# Altium PCB PCB1.PcbDoc (part 2 of 2)
Units mm, origin at the board's own origin, x right, y up, seen from the top; angles counter-clockwise.
Board outline 98.68 x 97.8 mm, 2 copper layers (Top Layer, Bottom Layer), stack 1.569 mm thick; 110 components, 107 nets, 431 pads, 347 vias.
Unrouted connection lines stored in the file: 1.
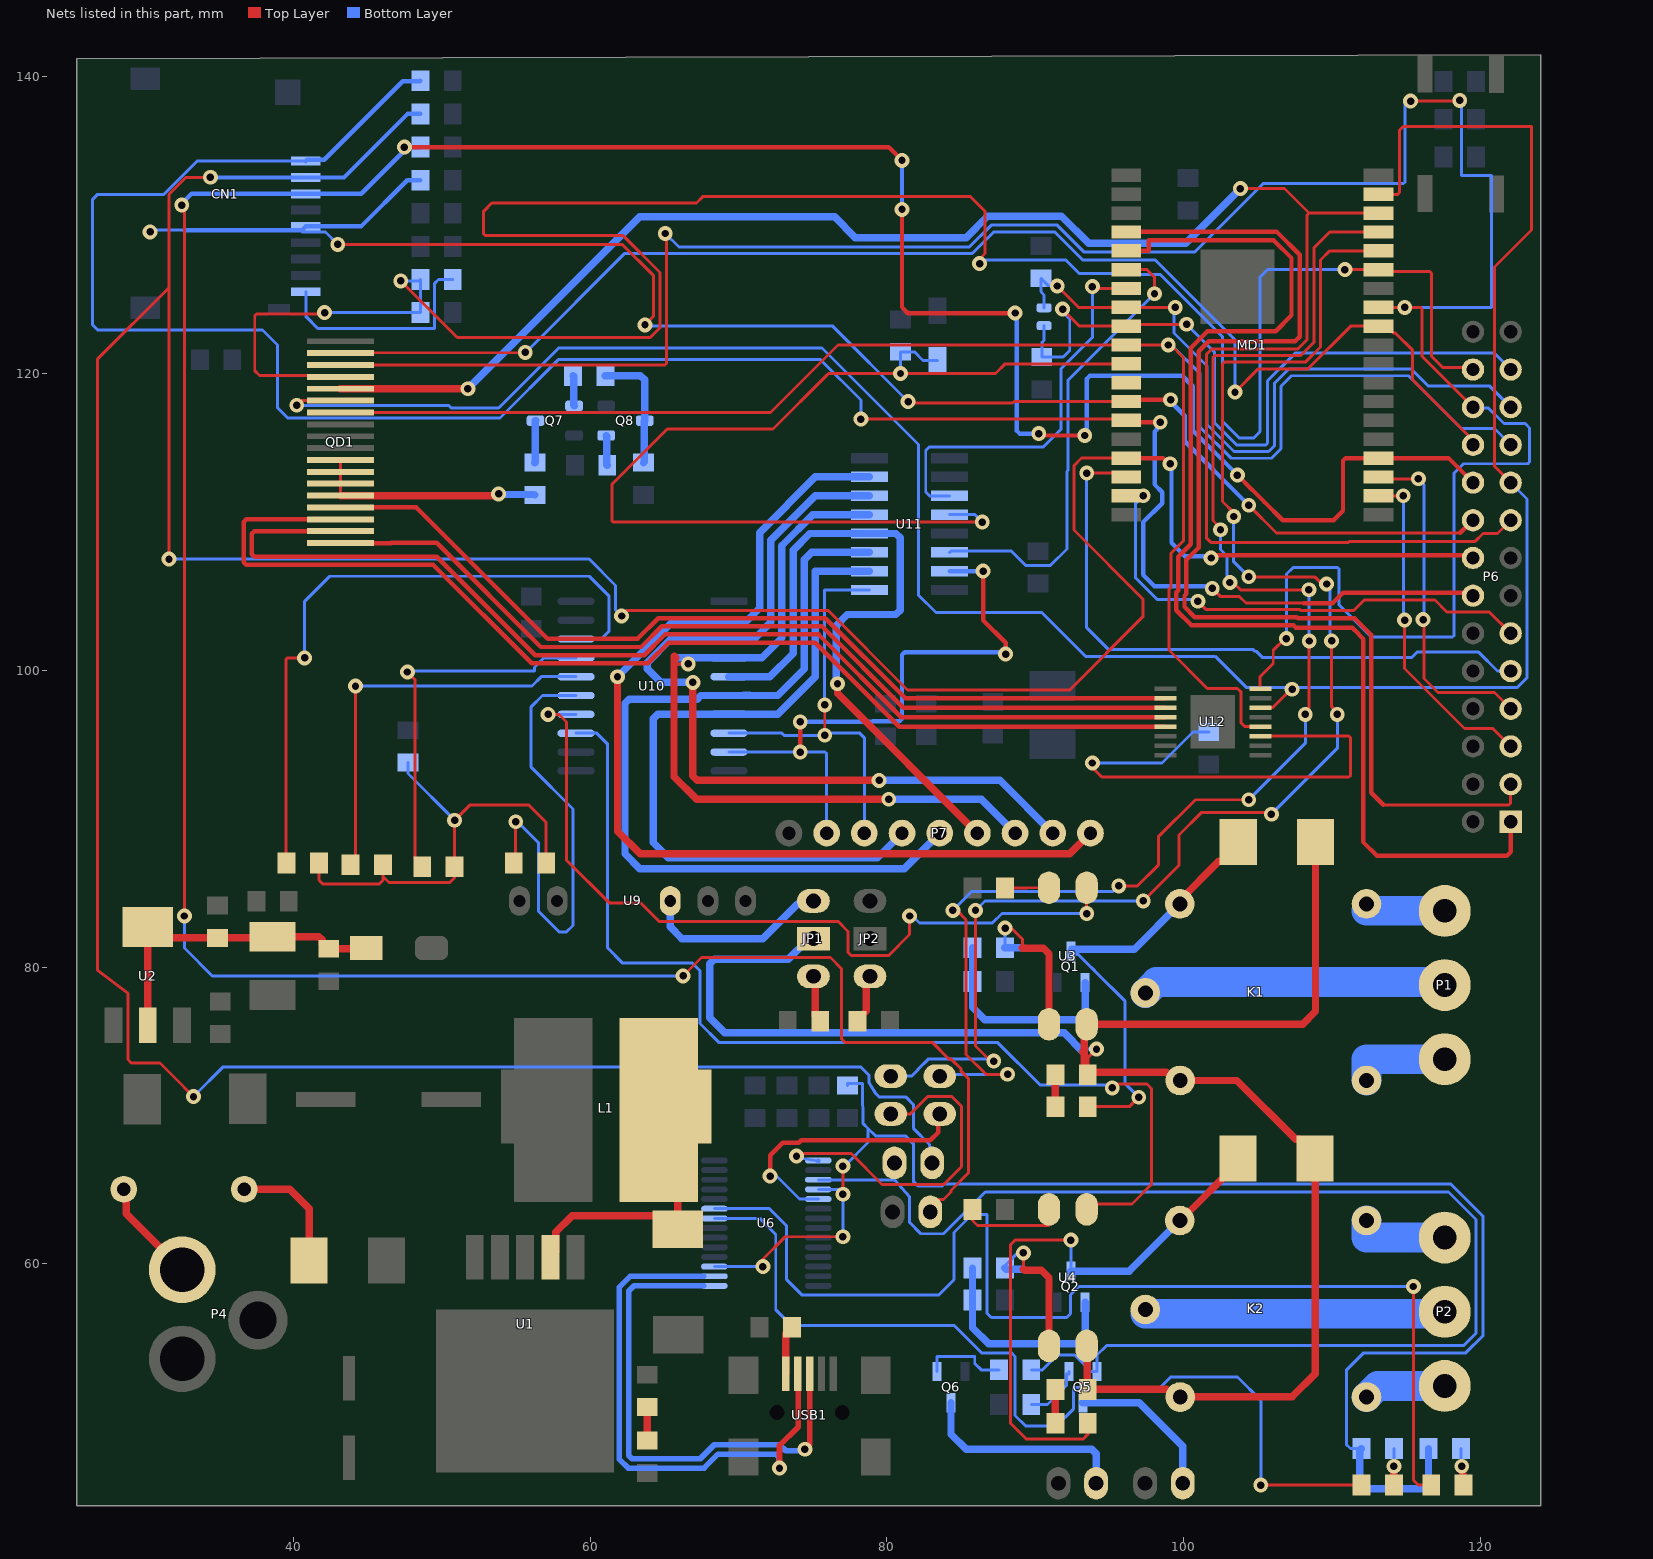
[diagram p2: the nets of this part, all layers, seen from the top]

## Via types
v1: diameter 1, hole 0.5, Top Layer to Bottom Layer, tented both sides, 341 vias
v2: diameter 1, hole 0.5, Top Layer to Bottom Layer, 4 vias
v3: diameter 1.2, hole 1.2, Top Layer to Bottom Layer, tented both sides, 2 vias

## Nets (pads, with @x,y where several pads share a name; then routed paths per layer and width w, separated by ;. In a path a pad name is that pad's centre, name@x,y a point inside that pad or via, vN(x,y) a via of type N, cw(c..) or ccw(c..) an arc to the next point about the centre after c; other vN are vias at no path point) (continued)
IO12: CN1.1 MD1.14 P6.14 R25.2 | length 149.6
  Top Layer w0.2: v1(78.257,116.928) 96.051,116.928 MD1.14@96.139,116.84 ; v1(101.938,105.523) 101.944,105.523 102.507,104.96 103.775,104.96 104.203,104.532 108.102,104.532
  Top Layer w0.3: MD1.14@96.139,116.84 96.266,116.713 v1(98.425,116.713) ; 108.102,104.532 110.056,104.532 110.76,105.236 119.3,105.236 P6.14@119.507,105.029
  Bottom Layer w0.2: CN1.1@40.853,134.315 33.528,134.315 31.293,132.08 26.822,132.08 26.485,131.743 26.485,123.273 26.822,122.936 37.922,122.936 38.938,121.92 38.938,117.692 39.624,117.006 53.938,117.006 57.861,120.929 75.54,120.929 78.257,118.212 v1(78.257,116.928)
  Bottom Layer w0.3: CN1.1@40.847,134.31 40.853,134.315 40.949,134.411 42.082,134.411 47.371,139.7 48.539,139.7 R25.2@48.565,139.725 ; v1(98.425,116.713) 98.425,116.524 98.18,116.279 98.18,116.214 98.044,116.078 98.044,112.525 98.563,112.006 98.563,111.26 97.271,109.968 97.271,106.434 98.041,105.664 101.797,105.664 v1(101.938,105.523)
IO13: CN1.2 JP5.2 MD1.16 P6.16 R26.2 | length 277.5
  Top Layer w0.2: v1(31.623,107.493) 31.623,125.781 ; v1(33.274,71.272) 33.262,71.272 32.67,71.864 32.67,71.876 31.013,73.533 29.083,73.533 28.854,73.762 28.854,78.232 26.797,79.793 26.797,120.955 31.623,125.781 ; v1(34.417,133.223) 32.766,133.223 31.623,132.08 31.623,125.781 ; v1(62.128,103.657) 62.509,104.038 76.043,104.038 81.402,98.679 92.329,98.679 97.257,103.607 97.257,104.8 92.608,109.449 92.608,113.792 93.116,114.3 MD1.16@96.139,114.3
  Top Layer w0.3: MD1.16@96.139,114.3 98.617,114.3 v1@98.998,113.919 ; v1(101.854,107.569) 102.043,107.569 102.223,107.749 119.327,107.749 P6.16@119.507,107.569
  Bottom Layer w0.2: v1(31.623,107.493) 59.944,107.493 61.722,105.715 61.722,104.064 v1(62.128,103.657) ; v1(33.274,71.272) 35.281,73.279 78.232,73.279 78.814,72.697 78.814,72.187 79.236,71.496 ccw(c79.406,71.6) 79.265,71.459 79.47,71.254 81.275,71.254 81.788,70.741 81.788,69.139 82.88,68.047 JP5.2@83.058,66.802
  Bottom Layer w0.3: v1(34.417,133.223) 34.417,133.209 CN1.2@40.847,133.209 43.42,133.209 47.705,137.494 R26.2@48.565,137.494 ; v1@98.998,113.919 99.187,113.919 99.187,108.588 100.079,107.696 101.727,107.696 v1(101.854,107.569) ; v1(99.092,113.919) v1@99.187,113.824
IO14: CN1.5 MD1.13 P6.18 R28.2 | length 111.3
  Top Layer w0.2: v1(43.002,128.702) 62.179,128.702 64.262,126.619 64.262,123.837 v1(63.703,123.278) ; v1(81.432,118.11) 81.52,118.022 88.476,118.022 88.564,118.11 MD1.13@96.139,118.11 ; v1(104.394,111.125) 106.26,109.259 118.657,109.259
  Top Layer w0.3: MD1.13@96.139,118.11 96.266,118.237 v1(99.131,118.237) ; 118.657,109.259 P6.18@119.507,110.109
  Bottom Layer w0.2: v1(30.353,129.54) 30.48,129.667 32.662,129.667 ; 40.605,129.54 42.164,129.54 v1(43.002,128.702) ; v1(63.703,123.278) 63.766,123.215 76.327,123.215 v1(81.432,118.11) ; 104.01,111.506 104.391,111.125 v1(104.394,111.125)
  Bottom Layer w0.3: 32.662,129.667 40.605,129.667 CN1.5@40.847,129.91 44.566,129.91 47.687,133.031 R28.2@48.565,133.031 ; v1(99.131,118.237) 99.131,118.105 100.076,117.16 100.076,115.44 104.01,111.506
IO15: CN1.3 JP6.2 MD1.23 P6.20 R27.2 | length 243.5
  Top Layer w0.2: v1(32.48,131.35) 32.664,131.166 v1(32.664,83.439) ; v1(66.269,79.4) 67.513,80.645 76.2,80.645 76.937,79.908 76.937,75.184 77.191,74.93 83.058,74.93 84.194,73.794 84.342,73.794 85.016,73.12 85.016,72.972 85.496,72.492 85.496,66.116 84.328,64.948 84.328,64.846 83.82,64.338 82.931,64.338 JP6.2@82.931,63.5
  Top Layer w0.3: v1(47.491,135.262) 80.13,135.262 v1(81.026,134.366) ; v1(81.026,131.064) 81.026,124.46 81.418,124.068 88.635,124.068 v1(88.646,124.079) ; v1(90.245,115.951) 90.372,115.824 v1(93.345,115.824) ; v1(103.632,113.157) 104.637,112.152 104.64,112.152 105.421,111.371 106.683,110.109 110.109,110.109 110.744,110.744 110.744,114.124 110.92,114.3 MD1.23@113.139,114.3 117.856,114.3 P6.20@119.507,112.649
  Bottom Layer w0.2: v1(32.664,83.439) 32.664,81.28 34.544,79.4 v1(66.269,79.4)
  Bottom Layer w0.3: v1(32.48,131.35) 32.48,131.443 33.147,132.11 CN1.3@40.847,132.11 44.583,132.11 v1@47.691,135.217 ; v1(47.491,135.262) R27.2@48.565,135.262 ; v1(81.026,131.064) v1(81.026,134.366) ; v1(88.646,124.079) 88.773,123.952 88.773,116.127 88.949,115.951 v1(90.245,115.951) ; v1(93.345,115.824) 93.472,115.951 93.472,119.634 93.69,119.852 99.913,119.852 100.357,119.408 100.626,119.139 100.626,116.163 v1(103.632,113.157)
IO18: MD1.30 P6.22 QD1.2 | length 92.8
  Top Layer w0.2: QD1.2@43.18,121.374 43.205,121.399 55.605,121.399 v1(55.63,121.424) ; v1(103.469,118.745) 105.04,120.316 108.392,120.316 111.266,123.19 MD1.30@113.139,123.19 113.689,123.19 114.159,122.72 114.284,122.72 115.443,121.561 115.443,119.566 119.507,115.502 P6.22@119.507,115.189
  Bottom Layer w0.2: v1(55.63,121.424) 55.696,121.49 55.729,121.49 62.313,128.074 85.723,128.074 85.758,128.109 85.779,128.109 87.22,129.55 91.301,129.55 93.217,127.635 98.104,127.635 103.469,122.27 v1(103.469,118.745)
IO19: MD1.31 P6.24 QD1.3 U12.16 | length 172.9
  Top Layer w0.2: QD1.3@43.18,120.574 65.045,120.574 65.162,120.691 65.162,129.351 v1(65.075,129.438) ; U12.16@105.181,98.76 105.156,98.76 105.156,99.568 106.045,100.457 106.045,101.346 106.831,102.132 v1(106.934,102.132) ; MD1.31@113.139,124.46 v1(114.91,124.46) 115.961,124.46 116.078,124.343 116.078,121.158 P6.24@119.507,117.729 ; v1(115.3,138.357) 115.324,138.381 118.59,138.381 v1(118.613,138.405)
  Bottom Layer w0.2: v1(65.075,129.438) 65.989,128.524 85.558,128.524 87.034,130 91.488,130 93.31,128.178 100.745,128.178 105.37,132.803 114.818,132.803 114.935,132.92 114.935,138.303 115.062,138.43 115.134,138.357 v1(115.3,138.357) ; v1(106.934,102.132) 106.934,106.481 107.387,106.934 110.373,106.934 110.49,106.817 110.49,104.394 112.649,102.235 118.12,102.235 118.237,102.352 118.237,113.294 118.862,113.919 123.2,113.919 123.317,114.036 123.317,116.332 123.02,116.629 121.591,116.629 120.557,117.663 119.573,117.663 P6.24@119.507,117.729 ; v1(114.91,124.46) 120.752,124.46 120.752,133.35 118.745,133.35 118.745,138.273 v1(118.613,138.405)
IO21: MD1.33 P6.26 QD1.4 R31.2 R35.1 | length 158.9
  Top Layer w0.2: v1(42.113,124.104) 42.027,124.018 41.468,124.018 37.521,124.018 37.404,123.901 37.404,120.182 37.718,119.868 43.086,119.868 QD1.4@43.18,119.774 ; v1(47.244,126.238) 51.054,122.428 64.055,122.428 64.712,123.085 64.712,126.805 62.231,129.286 52.949,129.286 52.832,129.403 52.832,130.937 53.383,131.488 67.167,131.488 67.594,131.914 85.637,131.914 86.614,130.937 86.614,128.093 86.195,127.674 86.195,127.472 v1(86.259,127.408) ; v1(110.871,127) MD1.33@113.139,127 113.266,126.873 116.596,126.873 116.713,126.756 116.713,121.159 117.476,120.396 119.38,120.396 P6.26@119.507,120.269
  Bottom Layer w0.2: v1(42.113,124.104) R31.2@48.565,124.104 R35.1@48.565,126.336 48.467,126.238 v1(47.244,126.238) ; v1(86.259,127.408) 86.259,127.518 86.376,127.635 92.075,127.635 92.964,126.746 95.377,126.746 95.454,126.669 98.434,126.669 101.053,124.05 102.619,122.484 102.619,116.786 103.766,115.639 104.717,115.639 105.156,116.078 105.156,126.492 105.664,127 v1(110.871,127)
IO22: MD1.36 P6.17 QD1.5 | length 128.3
  Top Layer w0.2: v1(103.83,132.466) 103.835,132.461 106.807,132.461 108.458,130.81 ; MD1.36@113.139,130.81 108.458,130.81 ; P6.17@122.047,110.109 121.158,109.22 120.174,109.22 119.623,108.669 111.156,108.669 111.111,108.624 101.836,108.624 101.531,108.929 101.531,121.285 101.912,121.666 107.719,121.666 108.323,122.27 108.323,128.194 108.331,128.202 108.331,130.683 108.458,130.81
  Top Layer w0.5: QD1.5@43.18,118.974 v1(51.766,118.974)
  Bottom Layer w0.5: v1(51.766,118.974) 63.348,130.556 76.489,130.556 77.886,129.159 85.344,129.159 86.785,130.6 91.777,130.6 93.599,128.778 100.152,128.778 103.83,132.456 v1(103.83,132.466)
IO23: MD1.37 P6.19 QD1.6 U12.14 | length 160
  Top Layer w0.2: v1(40.234,117.856) 40.552,118.174 QD1.6@43.18,118.174 ; U12.14@105.181,97.48 105.989,97.48 106.832,98.323 107.233,98.724 v1(107.319,98.724) ; MD1.37@113.139,132.08 114.427,132.08 114.554,132.207 114.554,136.398 114.808,136.652 123.454,136.652 123.454,129.677 120.947,127.17 120.947,113.749 P6.19@122.047,112.649
  Bottom Layer w0.2: v1(40.234,117.856) 50.466,117.856 50.648,117.674 53.844,117.674 57.887,121.717 75.641,121.717 82.144,115.214 82.144,105.054 83.312,103.886 90.449,103.886 93.396,100.939 102.134,100.939 104.224,98.849 v1@107.319,98.849 ; v1(107.319,98.724) v1@107.319,98.849 ; P6.19@122.047,112.649 123.147,111.549 123.147,99.493 122.503,98.849 v1@107.319,98.849
IO25: MD1.10 P6.21 QD1.7 U12.12 | length 123.7
  Top Layer w0.2: QD1.7@43.18,117.374 72.161,117.374 76.707,121.92 MD1.10@96.139,121.92 96.647,121.92 v1(98.965,121.92) 99.148,121.92 99.981,121.087 99.981,108.708 99.141,107.868 99.141,105.582 99.015,105.456 99.015,101.366 101.6,98.781 103.632,98.781 103.886,98.527 103.886,96.454 104.14,96.2 U12.12@105.181,96.2
  Bottom Layer w0.2: v1(98.965,121.92) 99.187,121.92 101.126,119.981 101.126,116.37 103.207,114.289 105.92,114.289 106.564,114.933 106.564,119.134 107.279,119.849 115.16,119.849 118.72,116.289 120.947,116.289 P6.21@122.047,115.189
IO32: C16.2 MD1.8 P6.23 X1.2 | length 48
  Top Layer w0.2: v1(91.492,125.896) 92.928,124.46 MD1.8@96.139,124.46 96.305,124.294 96.471,124.46 v1(99.441,124.46)
  Bottom Layer w0.2: X1.2@90.599,124.425 90.599,125.298 90.384,125.513 C16.2@90.384,126.416 90.884,125.916 91.472,125.916 v1(91.492,125.896) ; v1(99.441,124.46) 99.353,124.372 99.353,122.734 101.576,120.511 101.576,116.556 103.393,114.739 105.733,114.739 106.114,115.12 106.114,119.321 107.092,120.299 115.346,120.299 116.476,119.169 120.607,119.169 P6.23@122.047,117.729
IO33: C15.2 MD1.9 P6.25 X1.1 | length 49.7
  Top Layer w0.2: v1(91.849,124.337) 92.995,123.19 MD1.9@96.139,123.19 96.393,123.444 96.52,123.317 v1(100.203,123.317)
  Bottom Layer w0.2: X1.1@90.599,123.225 90.599,122.222 90.449,122.072 C15.2@90.449,121.107 91.891,121.107 92.329,121.545 92.329,123.685 91.849,124.166 v1(91.849,124.337) ; v1(100.203,123.317) 102.072,121.448 102.072,116.697 103.58,115.189 105.547,115.189 105.664,115.306 105.664,119.507 107.526,121.369 120.947,121.369 P6.25@122.047,120.269
MCU_RX1: JP3.2 MD1.34 | length 97.3
  Top Layer w0.2: v1(85.979,83.82) 85.979,74.676 86.995,73.66 v1(87.21,73.66) ; v1(97.282,84.455) 99.695,86.868 99.695,88.9 101.219,90.424 105.801,90.424 105.918,90.307 v1(105.918,90.297) ; v1(103.378,110.363) 103.378,110.617 102.619,111.376 102.619,120.649 102.736,120.766 108.206,120.766 109.231,121.791 109.231,127.646 109.855,128.27 MD1.34@113.139,128.27 ; v1(104.394,106.299) 108.839,106.299 v1@109.347,105.791 ; v1(109.975,101.981) 109.982,101.974 109.982,97.545 110.363,97.164 v1(110.363,97.028)
  Bottom Layer w0.2: JP3.2@80.264,72.644 81.664,72.644 82.116,73.096 82.116,73.12 82.79,73.794 86.861,73.794 86.995,73.66 v1(87.21,73.66) ; v1(85.979,83.82) 86.614,84.455 v1(97.282,84.455) ; v1(103.378,110.363) 103.378,107.315 v1(104.394,106.299) ; v1(105.918,90.297) 110.363,94.742 v1(110.363,97.028) ; v1(109.64,105.817) 109.702,105.817 109.878,105.641 109.878,102.078 v1(109.975,101.981)
MCU_TX1: JP4.2 MD1.35 | length 97.8
  Top Layer w0.2: v1(84.455,83.82) 84.709,83.82 85.344,83.185 85.344,74.109 86.682,72.771 v1(88.138,72.771) ; v1(95.631,85.471) 96.901,85.471 98.298,86.868 98.298,88.773 100.799,91.274 v1(104.394,91.274) ; v1(102.489,109.474) 102.489,109.589 101.981,110.097 101.981,121.099 102.098,121.216 107.906,121.216 108.781,122.091 108.781,128.466 109.855,129.54 MD1.35@113.139,129.54 ; v1(103.124,105.918) 103.34,105.918 103.848,105.41 108.429,105.41 v1(108.451,105.432) ; v1(108.204,97.028) 108.204,97.244 108.467,97.508 v1(108.467,101.972)
  Bottom Layer w0.2: JP4.2@83.566,72.644 83.693,72.771 v1(88.138,72.771) ; v1(84.455,83.82) 85.725,85.09 95.25,85.09 v1(95.631,85.471) ; v1(102.489,109.474) 102.489,108.136 102.925,107.7 102.925,106.117 v1(103.124,105.918) ; v1(104.394,91.274) 108.204,95.084 v1(108.204,97.028) ; v1(108.451,105.432) 108.451,101.988 v1(108.467,101.972)
NetC4_2: C4.2 C6.1 D1.1 FB1.1 U2.2 | length 22.3
  Top Layer w0.5: U2.2@30.192,76.073 U2.2@30.192,82.702 30.928,81.966 FB1.1@34.9,81.966 38.525,81.966 C6.1@38.61,82.051 41.728,82.051 41.943,81.837 41.943,81.579 42.115,81.407 42.291,81.407 42.291,81.331 C4.2@42.393,81.229 44.866,81.229 D1.1@44.917,81.28
NetCN1_9: CN1.9 R35.2 | length 15.1
  Bottom Layer w0.2: CN1.9@40.847,125.509 40.869,125.509 40.869,123.825 41.656,123.038 49.53,123.038 49.53,126.082 49.784,126.336 R35.2@50.749,126.336
NetD2_2: D2.2 R2.2 | length 2.2
  Top Layer w0.5: R2.2@91.364,70.587 D2.2@91.364,72.746
NetD3_1: D3.1 S1.2 | length 8.4
  Top Layer w0.5: S1.2@36.703,65.024 39.751,65.024 41.072,63.703 D3.1@41.072,60.223
NetD4_2: D4.2 R3.2 | length 2.3
  Top Layer w0.5: R3.2@91.364,49.251 D4.2@91.364,51.537
NetD5_1: D5.1 K1.5 Q1.3 R2.1 | length 30.2
  Top Layer w0.2: R2.1@93.548,70.587 96.342,70.587 v1(96.977,71.222)
  Top Layer w0.5: K1.5@99.75,84.256 99.75,84.485 102.383,87.117 102.683,87.117 103.683,88.117 D5.1@103.683,88.417
  Bottom Layer w0.2: Q1.3@92.552,81.201 92.552,80.918 92.611,80.859 92.894,80.859 93.793,79.96 93.806,79.96 94.011,79.755 94.011,79.742 96.063,77.69 96.063,72.136 v1(96.977,71.222)
  Bottom Layer w0.5: Q1.3@92.461,81.201 96.695,81.201 K1.5@99.75,84.256
NetD7_1: D7.1 K2.5 Q2.3 R3.1 | length 39.4
  Top Layer w0.2: v1(92.411,61.595) 88.646,61.595 88.341,61.29 88.341,49.251 89.408,48.184 93.218,48.184 93.548,48.514 R3.1@93.548,49.251
  Top Layer w0.5: K2.5@99.75,62.92 99.796,62.92 103.657,66.781 D7.1@103.657,67.081
  Bottom Layer w0.2: Q2.3@92.411,59.512 v1(92.411,61.595)
  Bottom Layer w0.5: Q2.3@92.411,59.512 96.342,59.512 K2.5@99.75,62.92
NetD8_2: D8.2 L1.1 U1.2 | length 22.1
  Top Layer w0.2: L1.1@64.643,70.358 65.786,70.358 66.04,70.612 L1.1@67.183,70.612
  Top Layer w0.5: U1.2@57.326,60.435 57.676,60.785 57.676,62.121 58.801,63.246 64.999,63.246 D8.2@65.913,62.332 65.913,69.088 L1.1@64.643,70.358
NetD11_1: D11.1 R1.1 | length 2.3
  Top Layer w0.5: D11.1@63.856,48.082 R1.1@63.856,50.343
NetD12_1: D12.1 R14.1 | length 2.5
  Top Layer w0.5: v1(118.745,46.355) 118.808,46.291 118.808,45.148 D12.1@118.872,45.085
  Bottom Layer w0.2: R14.1@118.694,47.549 118.694,46.406 v1(118.745,46.355)
NetD12_2: D12.2 U6.23 | length 78.5
  Top Layer w0.2: v1(115.494,58.471) 115.494,45.415 115.824,45.085 D12.2@116.688,45.085
  Bottom Layer w0.2: U6.23@68.382,63.713 72.09,63.713 73.254,62.55 73.254,58.928 74.295,57.887 83.49,57.887 84.531,58.928 84.531,61.506 84.531,62.102 85.746,63.316 86.741,63.316 86.741,56.693 87.046,56.388 92.126,56.388 92.38,56.642 92.38,57.912 92.939,58.471 v1(115.494,58.471)
NetD13_1: D13.1 R15.1 | length 2.5
  Top Layer w0.5: D13.1@114.173,45.085 v1(114.173,46.355)
  Bottom Layer w0.2: v1(114.173,46.355) R15.1@114.173,47.549
NetD13_2: D13.2 U6.22 | length 63.3
  Top Layer w0.2: v1(105.207,45.085) D13.2@111.989,45.085
  Bottom Layer w0.2: U6.22@68.382,63.063 71.43,63.063 72.517,61.976 72.517,56.896 73.558,55.855 84.531,55.855 86.385,54 88.392,54 88.646,53.746 88.646,49.784 89.357,49.073 91.44,49.073 92.568,50.201 92.568,51.664 98.425,51.664 99.136,52.375 103.632,52.375 105.207,50.8 v1(105.207,45.085)
NetD16_1: D16.1 U10.18 | length 45.4
  Top Layer w0.2: D16.1@39.548,87.02 39.497,87.071 39.497,100.721 39.614,100.838 v1(40.767,100.838)
  Bottom Layer w0.2: v1(40.767,100.838) 40.767,104.648 42.455,106.336 59.944,106.336 61.265,105.015 61.265,102.616 60.757,102.108 U10.18@59.055,102.108
NetD16_2: D16.2 D17.2 D18.2 D19.2 R23.2 | length 30.7
  Top Layer w0.2: D16.2@41.732,87.02 41.732,85.852 41.986,85.598 45.796,85.598 46.05,85.852 46.05,86.106 ; D18.2@46.05,86.893 46.05,86.106 ; D19.2@57.048,87.02 57.048,89.738 55.88,90.907 51.892,90.907 v1(50.876,89.891) D17.2@50.876,86.766 50.876,86.03 50.546,85.7 46.457,85.7 46.05,86.106
  Bottom Layer w0.2: R23.2@47.727,93.777 47.727,93.04 v1(50.876,89.891)
NetD17_1: D17.1 U10.17 | length 25.4
  Top Layer w0.2: v1(47.688,99.885) 48.192,99.382 48.192,87.266 D17.1@48.692,86.766
  Bottom Layer w0.2: v1(47.688,99.885) 47.742,99.939 56.251,99.939 56.251,100.193 56.896,100.838 U10.17@59.055,100.838
NetD18_1: D18.1 U10.16 | length 27.3
  Top Layer w0.2: D18.1@43.866,86.893 44.196,87.224 v1(44.196,98.933)
  Bottom Layer w0.2: v1(44.196,98.933) 56.083,98.933 56.718,99.568 U10.16@59.055,99.568
NetD19_1: D19.1 U10.15 | length 31.9
  Top Layer w0.2: D19.1@54.864,87.02 54.991,87.147 v1(54.991,89.789)
  Bottom Layer w0.2: v1(54.991,89.789) 55.118,89.789 56.515,88.392 56.515,83.769 57.912,82.372 58.42,82.372 58.852,82.804 58.852,90.653 56.032,93.472 56.032,97.536 56.794,98.298 U10.15@59.055,98.298
NetFB2_2: FB2.2 JP1.1 | length 3.2
  Top Layer w0.5: JP1.1@75.057,79.375 75.184,79.248 75.184,76.683 FB2.2@75.514,76.352
NetFB3_1: FB3.1 USB1.1 | length 3.4
  Top Layer w0.5: USB1.1@73.198,52.59 73.198,54.49 73.191,54.497 73.191,55.278 73.259,55.278 73.609,55.628 FB3.1@73.609,55.728
NetFB4_2: FB4.2 JP2.1 | length 3.4
  Top Layer w0.5: FB4.2@78.029,76.352 78.029,76.452 78.613,77.037 78.613,79.121 JP2.1@78.867,79.375
NetJP7_2: JP7.2 Q5.3 | length 10.4
  Bottom Layer w0.5: Q5.3@93.218,50.639 97.023,50.639 99.949,47.713 JP7.2@99.949,45.212
NetJP8_2: JP8.2 Q6.3 | length 14.4
  Bottom Layer w0.5: Q6.3@84.328,50.639 84.328,48.514 85.344,47.498 93.814,47.498 94.107,47.205 JP8.2@94.107,45.212
NetK1_1: K1.1 P1.2 | length 20.6
  Bottom Layer w2: K1.1@97.428,78.256 98.166,78.994 117.395,78.994 P1.2@117.602,78.787
NetK1_2: K1.2 P1.1 | length 5.7
  Bottom Layer w0.2: K1.2@112.328,83.787 K1.2@112.328,84.256
  Bottom Layer w2: K1.2@112.328,83.787 P1.1@117.602,83.787
NetK1_3: K1.3 P1.3 | length 6.7
  Bottom Layer w2: K1.3@112.328,72.356 112.328,73.787 P1.3@117.602,73.787
NetK2_1: K2.1 P2.2 | length 20.6
  Bottom Layer w0.2: K2.1@97.428,56.642 K2.1@97.428,56.92 ; P2.2@117.602,56.642 P2.2@117.602,56.769
  Bottom Layer w2: K2.1@97.428,56.642 P2.2@117.602,56.642
NetK2_2: K2.2 P2.1 | length 6.4
  Bottom Layer w2: K2.2@112.328,62.92 112.328,61.769 P2.1@117.602,61.769
NetK2_3: K2.3 P2.3 | length 5.6
  Bottom Layer w2: K2.3@112.328,51.02 113.077,51.769 P2.3@117.602,51.769
NetP4_2: P4.2 S1.1 | length 7.1
  Top Layer w0.5: S1.1@28.575,65.024 28.732,64.867 28.732,63.374 P4.2@32.512,59.594
NetQ1_1: Q1.1 R5.2 R7.2 | length 14.3
  Bottom Layer w0.5: R5.2@85.776,81.305 R7.2@85.776,79.019 85.776,77.292 86.614,76.454 93.068,76.454 93.361,76.747 Q1.1@93.361,78.96
NetQ2_1: Q2.1 R6.2 R10.2 | length 14.6
  Bottom Layer w0.5: R6.2@85.776,59.715 R10.2@85.776,57.556 85.776,55.702 86.868,54.61 92.964,54.61 93.361,55.007 Q2.1@93.361,57.412
NetQ5_1: Q5.1 R20.2 | length 4
  Bottom Layer w0.2: R20.2@89.738,50.521 90.823,50.521 92.118,51.816 92.118,52.589 92.268,52.589 Q5.1@92.268,52.739
NetQ6_1: Q6.1 R21.2 | length 5.8
  Bottom Layer w0.2: Q6.1@83.378,52.739 83.378,53.739 85.928,53.739 85.928,53.289 86.36,52.857 R21.2@87.554,52.857
NetQ7_1: Q7.1 R37.1 | length 2.1
  Bottom Layer w0.5: R37.1@58.852,119.863 58.89,119.825 58.89,117.862 Q7.1@58.928,117.824
NetQ7_3: Q7.3 R33.2 | length 2.8
  Bottom Layer w0.5: R33.2@56.286,113.995 56.307,114.016 56.307,116.803 Q7.3@56.328,116.824
NetQ8_1: Q8.1 R38.1 | length 2
  Bottom Layer w0.5: Q8.1@61.087,115.824 61.125,115.786 61.125,113.855 R38.1@61.163,113.817
NetQ8_3: Q8.3 R36.1 R37.2 | length 8.4
  Bottom Layer w0.5: R37.2@61.036,119.863 63.394,119.863 63.687,119.57 Q8.3@63.687,116.824 63.644,116.781 63.644,114.038 R36.1@63.602,113.995
NetQD1_11: QD1.11 QD1.12 QD1.13 QD1.14 R33.1 | length 15.7
  Top Layer w0.2: QD1.11@43.18,114.174 QD1.12@43.18,113.374 QD1.13@43.18,112.574 QD1.14@43.18,111.774 QD1.14@43.194,111.76
  Top Layer w0.5: QD1.14@43.194,111.76 53.713,111.76 v1(53.84,111.887) v1@53.975,111.887
  Bottom Layer w0.5: v1(53.84,111.887) 53.975,111.887 54.013,111.849 56.248,111.849 R33.1@56.286,111.811
NetR5_1: R5.1 U3.3 | length 11.3
  Top Layer w0.2: v1(87.973,82.626) 88.392,82.626 89.141,81.877 89.141,81.293
  Top Layer w0.5: 89.141,81.293 89.154,81.28 90.551,81.28 90.932,80.899 U3.3@90.932,76.144
  Bottom Layer w0.2: R5.1@87.973,81.293 v1(87.973,82.626)
  Bottom Layer w0.5: R5.1@87.96,81.305 87.973,81.293 89.141,81.293
NetR6_1: R6.1 U4.3 | length 10.7
  Top Layer w0.2: 89.205,59.639 v1(89.205,60.739)
  Top Layer w0.5: 89.205,59.639 89.281,59.563 90.424,59.563 90.932,59.055 U4.3@90.932,54.469
  Bottom Layer w0.2: R6.1@88.036,59.639 88.036,59.944 88.831,60.739 v1(89.205,60.739)
  Bottom Layer w0.5: R6.1@87.96,59.715 88.036,59.639 89.205,59.639
NetR9_1: R9.1 U3.2 | length 3
  Top Layer w0.2: R9.1@87.96,85.319 89.433,85.319 89.459,85.344 U3.2@90.932,85.344
NetR11_1: R11.1 U4.2 | length 7.1
  Top Layer w0.2: R11.1@85.776,63.652 85.776,62.916 86.106,62.586 90.932,62.586 U4.2@90.932,63.669
NetR30_1: R30.1 U12.11 | length 35.4
  Top Layer w0.2: v1(93.853,93.751) 94.006,93.598 94.006,93.294 94.488,92.812 111.145,92.812 111.262,92.929 111.262,95.443 111.145,95.56 U12.11@105.181,95.56
  Bottom Layer w0.2: v1(93.853,93.751) 98.552,93.751 100.635,95.834 R30.1@101.702,95.834
QA: P7.8 U10.9 U11.15 | length 40.9
  Top Layer w0.3: v1(74.168,94.488) v1(74.168,96.52) ; v1(86.487,106.68) 86.487,103.378 88.011,101.854 v1(88.011,101.092)
  Bottom Layer w0.2: U10.9@69.355,94.488 75.829,94.488 75.946,94.371 P7.8@75.946,89.027
  Bottom Layer w0.3: v1(74.168,96.52) 79.008,96.52 79.043,96.555 80.85,96.555 81.026,96.731 81.026,101.043 81.202,101.219 87.884,101.219 v1(88.011,101.092) ; U11.15@84.238,106.68 v1(86.487,106.68)
QB: P7.7 U10.8 U11.1 | length 28.8
  Top Layer w0.2: v1(75.819,95.62) v1(75.819,97.663)
  Bottom Layer w0.2: U10.8@69.355,95.758 72.928,95.758 73.066,95.62 75.681,95.62 v1@75.819,95.758 ; v1(75.819,95.62) v1@75.819,95.758 ; v1(75.819,97.663) 75.794,97.688 75.794,105.41 U11.1@78.83,105.41 ; P7.7@78.486,89.027 78.486,95.453 78.181,95.758 v1@75.819,95.758
QC: P7.6 U10.7 U11.2 | length 49.1
  Bottom Layer w0.5: U11.2@78.83,106.68 75.184,106.68 75.184,99.568 72.644,97.028 U10.7@69.355,97.028 64.555,97.028 64.262,96.735 64.262,88.392 65.278,87.376 79.375,87.376 P7.6@81.026,89.027
QD: P7.5 U10.6 U11.3 | length 57.8
  Bottom Layer w0.5: U11.3@78.83,107.95 74.93,107.95 74.434,107.454 74.434,100.088 72.644,98.298 70.786,98.298 70.778,98.306 70.363,98.306 70.355,98.298 U10.6@69.355,98.298 67.454,98.298 67.216,98.06 62.65,98.06 62.357,97.767 62.357,87.63 63.361,86.626 81.165,86.626 P7.5@83.566,89.027
QE: P7.4 U10.5 U11.4 | length 47.4
  Top Layer w0.5: v1@76.581,99.187 v1(76.677,99.091) 76.677,98.456 P7.4@86.106,89.027
  Bottom Layer w0.5: U10.5@69.355,99.568 72.118,99.568 73.684,101.134 73.684,108.101 74.803,109.22 U11.4@78.83,109.22 80.606,109.22 80.899,108.927 80.899,104.052 80.606,103.759 77.343,103.759 76.581,102.997 76.581,99.187 v1(76.677,99.091)
QF: P7.3 U10.4 U11.5 | length 56.2
  Top Layer w0.2: 65.69,100.934 65.69,100.432 v1(66.624,100.432)
  Top Layer w0.5: 65.786,100.838 65.69,100.934 65.659,100.903 65.659,92.837 67.183,91.313 v1(80.137,91.313)
  Bottom Layer w0.2: 65.786,100.838 65.786,100.432 v1(66.624,100.432)
  Bottom Layer w0.5: 65.786,100.838 U10.4@69.355,100.838 71.592,100.838 72.934,102.18 72.934,108.412 75.012,110.49 U11.5@78.83,110.49 ; v1(80.137,91.313) 86.36,91.313 P7.3@88.646,89.027
QG: P7.2 U10.3 U11.6 | length 58.9
  Top Layer w0.5: v1(66.929,99.187) 66.929,92.876 67.222,92.583 v1(79.486,92.583)
  Bottom Layer w0.5: v1(66.929,99.187) 64.77,99.187 63.856,100.101 63.856,100.515 65.45,102.108 U10.3@69.355,102.108 71.066,102.108 72.184,103.226 72.184,108.76 75.184,111.76 U11.6@78.83,111.76 ; v1(79.486,92.583) 87.63,92.583 P7.2@91.186,89.027
QH: P7.1 U10.2 U11.7 | length 69
  Top Layer w0.5: v1(61.849,99.568) 61.849,89.154 63.376,87.627 92.326,87.627 P7.1@93.726,89.027
  Bottom Layer w0.5: v1(61.849,99.568) 65.659,103.378 U10.2@69.355,103.378 70.612,103.378 71.434,104.2 71.434,109.28 75.184,113.03 U11.7@78.83,113.03
RCLK: C14.1 MD1.11 R22.1 U11.12 | length 72.1
  Top Layer w0.2: v1(86.436,109.982) 61.585,109.982 61.468,110.099 61.468,112.522 65.209,116.263 72.323,116.263 75.946,119.886 76.063,120.003 v1(80.924,120.003) 87.334,120.003 87.981,120.65 MD1.11@96.139,120.65
  Bottom Layer w0.2: v1(80.924,120.003) R22.1@80.924,121.463 81.864,121.463 82.448,120.879 C14.1@83.413,120.879 ; U11.12@84.238,110.49 85.928,110.49 v1(86.436,109.982)
REL1: U3.1 U10.14 | length 55.2
  Top Layer w0.2: v1(57.175,97.028) 57.912,97.028 58.42,96.52 58.42,87.198 61.29,84.328 63.398,84.328 64.643,83.083 76.708,83.083 77.394,82.398 77.394,80.993 77.622,80.765 80.112,80.765 81.534,82.187 v1(81.534,83.439) ; v1(93.472,83.605) U3.1@93.472,85.344
  Bottom Layer w0.2: v1(57.175,97.028) U10.14@59.055,97.028 ; v1(81.534,83.439) 81.727,83.439 82.196,82.97 87.115,82.97 87.761,83.617 93.46,83.617 v1(93.472,83.605)
REL2: U4.1 U10.13 | length 70.8
  Top Layer w0.2: U4.1@93.472,63.669 93.472,64.033 96.52,64.033 97.841,65.354 97.841,71.806 97.536,72.111 95.453,72.111 v1(95.199,71.857)
  Bottom Layer w0.2: U10.13@59.055,95.758 60.452,95.758 61.189,95.021 61.189,81.28 62.205,80.264 66.904,80.264 67.412,79.756 67.412,76.2 68.682,74.93 87.452,74.93 90.322,72.06 94.793,72.06 94.996,71.857 v1(95.199,71.857)
RTS: JP5.1 Q5.2 R21.1 U6.3 | length 90.2
  Bottom Layer w0.2: U6.3@75.382,65.663 80.518,65.663 ; JP5.1@80.518,66.802 80.518,65.663 ; R21.1@89.738,52.857 90.5,52.857 91.491,53.848 92.659,53.848 93.768,52.739 Q5.2@94.168,52.739 94.168,53.848 94.803,54.483 118.872,54.483 119.71,55.321 119.71,62.992 117.856,64.846 86.639,64.846 83.82,62.027 82.296,62.027 81.541,62.782 81.541,64.509 80.518,65.663
RXD: JP4.1 U6.5 | length 18.5
  Top Layer w0.3: v1(72.136,65.913) 72.136,67.31 72.985,68.159 74.059,68.159 74.226,68.326 82.931,68.326 83.459,68.854 83.459,69.997 JP4.1@83.566,70.104
  Bottom Layer w0.2: v1(72.136,65.913) 72.566,65.913 74.116,64.363 U6.5@75.382,64.363
SD0: MD1.21 P6.5 | length 22.7
  Top Layer w0.2: MD1.21@113.139,111.76 v1(114.808,111.76) ; v1(114.898,103.385) 114.898,100.114 118.94,96.073 120.843,96.073 P6.5@122.047,94.869
  Bottom Layer w0.2: v1(114.808,111.76) 114.808,103.475 v1(114.898,103.385)
SD1: MD1.22 P6.7 | length 23.1
  Top Layer w0.2: MD1.22@113.139,113.03 113.266,112.903 v1(115.824,112.903) ; v1(116.148,103.418) 116.205,103.36 116.205,99.444 117.14,98.509 120.947,98.509 P6.7@122.047,97.409
  Bottom Layer w0.2: v1(115.824,112.903) 116.205,112.522 116.205,103.567 116.148,103.509 v1(116.148,103.418)
SD2: MD1.17 P6.9 | length 43.3
  Top Layer w0.2: v1(93.472,113.284) 95.885,113.284 MD1.17@96.139,113.03
  Bottom Layer w0.2: v1(93.472,113.284) 93.472,102.87 94.953,101.389 104.697,101.389 104.804,101.282 104.898,101.282 105.303,100.877 115.393,100.877 115.735,101.219 119.888,101.219 121.158,99.949 P6.9@122.047,99.949
SD3: MD1.18 P6.11 | length 34.5
  Top Layer w0.2: MD1.18@96.139,111.76 96.393,111.506 96.647,111.76 v1(97.282,111.76) ; v1(100.965,104.648) 101.531,104.082 107.845,104.082 107.895,104.032 111.466,104.032 112.17,104.736 116.938,104.736 117.745,103.929 120.607,103.929 P6.11@122.047,102.489
  Bottom Layer w0.2: v1(97.282,111.76) 96.771,111.249 96.771,106.227 98.237,104.761 100.852,104.761 v1(100.965,104.648)
SENSOR_N: MD1.5 P6.1 | length 81.5
  Top Layer w0.3: MD1.5@96.139,128.27 97.663,128.27 97.663,128.99 106.065,128.99 107.273,127.782 107.273,123.918 106.206,122.851 101.612,122.851 100.481,121.72 100.481,108.501 99.641,107.661 99.641,105.375 99.515,105.249 99.515,104.047 100.53,103.032 107.41,103.032 107.561,102.881 111.371,102.881 111.547,102.705 112.099,102.1 112.099,88.434 113.03,87.503 121.793,87.503 122.047,87.757 P6.1@122.047,89.789
SENSOR_P: MD1.4 P6.3 | length 77.7
  Top Layer w0.2: 113.46,90.932 121.93,90.932 122.047,91.049 P6.3@122.047,92.329
  Top Layer w0.3: MD1.4@96.139,129.54 106.292,129.54 107.823,128.009 107.823,122.477 107.512,122.166 101.705,122.166 101.031,121.492 101.031,108.273 100.191,107.433 100.191,105.147 100.065,105.021 100.065,104.275 100.758,103.582 107.637,103.582 107.715,103.505 111.525,103.505 112.649,102.381 112.649,91.743 113.46,90.932
SER: MD1.6 U11.14 | length 31.7
  Top Layer w0.2: MD1.6@96.139,127 97.536,127 98.044,126.492 v1(98.044,125.374)
  Bottom Layer w0.2: U11.14@84.238,107.95 84.326,108.038 88.389,108.038 89.35,107.076 91.04,107.076 92.144,108.18 92.144,113.411 92.202,113.469 92.202,119.532 v1(98.044,125.374)
SRCLK: MD1.7 U11.11 | length 27
  Top Layer w0.2: v1(93.853,125.857) 93.98,125.73 MD1.7@96.139,125.73
  Bottom Layer w0.2: U11.11@84.238,111.76 82.88,111.76 82.626,112.014 82.626,114.808 82.88,115.062 90.558,115.062 91.752,116.256 91.752,120.332 93.853,122.433 v1(93.853,125.857)
touch7: MD1.12
TXD: JP3.1 U6.1 | length 23.8
  Top Layer w0.2: v1(73.914,67.259) 74.067,67.412 74.406,67.412 74.431,67.437 77.597,67.437 79.682,65.352 83.843,65.352 85.039,66.548 85.039,70.612 84.379,71.272 82.753,71.272 81.585,70.104 JP3.1@80.264,70.104
  Bottom Layer w0.2: v1(73.914,67.259) 73.914,67.167 75.374,66.914 U6.1@75.382,66.913
  Bottom Layer w0.3: U6.1@75.382,66.913 U6.1@75.382,66.963
USB_D_N: U6.16 USB1.2 | length 36.7
  Top Layer w0.381: v1(72.771,46.228) 72.771,47.752 74.041,49.022 74.041,52.547 USB1.2@73.998,52.59
  Bottom Layer w0.381: U6.16@67.661,59.156 62.702,59.156 61.976,58.429 61.976,46.823 62.571,46.228 67.691,46.228 68.636,47.173 72.516,47.173 72.739,46.949 72.739,46.26 v1(72.771,46.228)
USB_D_P: U6.15 USB1.3 | length 33.9
  Top Layer w0.381: v1(74.48,47.498) 74.803,47.821 74.803,52.585 USB1.3@74.798,52.59
  Bottom Layer w0.381: U6.15@67.661,58.521 62.966,58.521 62.611,58.166 62.611,47.086 62.834,46.863 67.428,46.863 68.373,47.808 72.779,47.808 73.19,47.397 74.194,47.397 74.247,47.45 v1@74.247,47.498
V_ISOLATED: JP1.3 U9.5 | length 12.8
  Bottom Layer w0.5: U9.5@65.405,84.455 65.405,82.705 66.195,81.915 71.628,81.915 73.958,84.245 74.847,84.245 JP1.3@75.057,84.455
VCCIO: C7.2 R14.2 R15.2 U6.4 U6.17 | length 103.6
  Top Layer w0.2: v1(71.653,59.813) 71.653,60.325 73.152,61.824 v1(77.038,61.824) ; v1(77.038,64.683) v1(77.038,66.587)
  Bottom Layer w0.2: U6.17@68.382,59.813 v1(71.653,59.813) ; U6.4@75.382,65.013 76.708,65.013 v1(77.038,64.683) v1(77.038,61.824) ; v1(77.038,66.587) 77.101,66.65 77.216,66.65 78.74,68.174 78.74,69.113 ; C7.2@77.343,72.009 77.343,72.147 78.364,72.147 78.37,71.787 78.41,69.444 78.74,69.113 ; R15.2@111.989,47.549 111.252,47.549 110.973,47.828 110.973,52.832 112.141,54 119.026,54 120.167,55.142 120.167,63.221 118.008,65.38 83.871,65.38 83.744,65.253 82.093,65.253 81.788,65.557 81.788,68.097 81.28,68.605 79.248,68.605 78.74,69.113
  Bottom Layer w0.5: R15.2@111.989,47.549 111.887,47.447 111.887,45.124 112.18,44.831 116.217,44.831 116.51,45.124 R14.2@116.51,47.549
VX: D2.1 D4.1 D5.2 D7.2 JP1.2 K1.4 K2.4 U3.4 U4.4 | length 123.2
  Top Layer w0.2: D2.1@93.548,72.746 93.548,73.889 v1(94.132,74.473)
  Top Layer w0.5: U4.4@93.472,54.469 93.51,54.431 93.51,51.575 D4.1@93.548,51.537 98.851,51.537 99.368,51.02 K2.4@99.774,51.02 99.808,51.054 107.315,51.054 108.864,52.603 D7.2@108.864,67.081 108.864,67.381 107.864,68.381 107.564,68.381 103.59,72.356 K1.4@99.774,72.356 99.368,72.356 98.826,72.898 93.701,72.898 D2.1@93.548,72.746 93.314,72.98 93.314,74.199 93.218,74.295 93.314,74.391 93.314,75.986 U3.4@93.472,76.144 108.021,76.144 108.89,77.013 D5.2@108.89,88.417
  Bottom Layer w0.2: 93.314,74.199 93.314,74.391 93.314,74.473 v1(94.132,74.473)
  Bottom Layer w0.5: JP1.2@75.057,81.915 74.757,81.915 73.36,80.518 68.365,80.518 68.072,80.225 68.072,76.581 69.088,75.565 91.948,75.565 93.218,74.295 ; 93.314,74.199 93.218,74.295 ; 93.314,74.391 93.218,74.295
X+: QD1.15 U12.2 | length 62.1
  Top Layer w0.3: QD1.15@43.18,110.974 48.284,110.974 57.14,102.118 63.206,102.118 64.603,103.515 75.859,103.515 81.254,98.12 U12.2@98.781,98.12
X-: QD1.17 U12.4 | length 74.7
  Top Layer w0.3: QD1.17@43.18,109.374 37.384,109.374 37.209,109.198 37.209,107.826 37.384,107.65 49.67,107.65 56.303,101.018 63.661,101.018 65.058,102.415 75.404,102.415 80.979,96.84 U12.4@98.781,96.84
Y+: QD1.18 U12.3 | length 61.4
  Top Layer w0.3: QD1.18@43.18,108.574 46.598,108.574 46.609,108.585 49.67,108.585 56.687,101.568 63.434,101.568 64.831,102.965 75.631,102.965 81.116,97.48 U12.3@98.781,97.48
Y-: QD1.16 U12.5 | length 77.2
  Top Layer w0.3: QD1.16@43.18,110.174 36.834,110.174 36.659,109.998 36.659,107.276 36.834,107.1 49.442,107.1 56.075,100.468 63.889,100.468 65.286,101.865 75.176,101.865 80.841,96.2 U12.5@98.781,96.2
pads on no net: MD1.27 MD1.28 MD1.32 U6.6 U6.8 U6.9 U6.10 U6.12 U6.13 U6.14 U6.19 U6.24 U6.27 U6.28 U9.6 U10.11 U10.12 U11.9 U12.7 U12.8 U12.13 U12.17 USB1.4 USB1.6 USB1.7 USB1.8 USB1.9 USB1.MH1 USB1.MH2
copper on no net:
  other v3: 29.692,127.173 29.692,135.174

## Polygon pours and split planes (outlines as drawn)
GND on Bottom Layer "GND_L02_P002" (solid, remove dead copper, pour order 2): 25.908,140.97 25.908,43.942 123.825,43.942 123.825,141.097
GND on Top Layer "GND_L01_P004" (solid, remove dead copper, pour order 4): 25.908,140.97 25.908,43.942 123.825,43.942 123.825,141.097

## Other copper
Top Layer:
  rectangle net 5V0: 69.215,68.707 74.041,77.089
  rectangle net 5V0: 70.485,69.088 71.755,77.089
  rectangle net 5V0: 70.739,75.946 73.152,76.962
  rectangle net NetC4_2: 40.132,80.391 46.228,83.058
  rectangle net NetC4_2: 31.115,81.026 37.084,82.677
  rectangle net NetC4_2: 29.464,75.946 31.623,77.089
  rectangle net NetC4_2: 29.464,74.803 31.623,76.581
  rectangle net NetC4_2: 29.464,76.581 31.623,82.804
  rectangle net 5V0: 67.945,55.626 72.009,56.896
  rectangle net 5V0: 67.945,54.102 71.12,56.261
  rectangle net 5V0: 63.881,52.07 68.199,53.086
  rectangle net 5V0: 67.945,52.07 69.088,55.245
  rectangle net 5V0: 68.199,55.118 69.596,56.769
  rectangle net 5V0: 69.215,55.626 70.866,56.388
  rectangle net 5V0: 69.215,55.626 69.977,69.723
  rectangle net 12V0: 58.42,57.785 61.595,61.976
  rectangle net 5V0: 35.687,74.422 38.1,75.946
  rectangle net 5V0: 32.841,75.489 34.925,76.073
  rectangle net 5V0: 32.841,75.692 38.227,76.327
  rectangle net 5V0: 33.401,72.263 38.227,75.819
  rectangle net 5V0: 35.687,66.294 49.149,69.596
  rectangle net 5V0: 47.752,65.405 58.293,80.518
  rectangle net 5V0: 47.752,80.137 62.611,83.185
  rectangle net 5V0: 53.721,64.008 55.118,68.58
  rectangle net 5V0: 53.34,58.928 54.483,68.58
  rectangle net 12V0: 43.18,50.673 49.149,65.024
  rectangle net NetD3_1: 35.814,58.801 42.545,65.913
  rectangle net NetP4_2: 27.559,57.404 34.798,66.04
  rectangle net 3V3: 34.671,115.062 37.973,115.824
  region net 3V3: 38.82,115.697 37.846,115.697 37.846,114.967
  region net 3V3: 36.322,114.935 35.306,114.935 35.306,113.484
  region net 3V3: 35.306,116.713 35.306,115.697 36.757,115.697
Bottom Layer:
  rectangle net 5V0: 53.213,68.199 76.073,70.358
  rectangle net 5V0: 54.102,61.722 66.294,69.088
  rectangle net 5V0: 53.213,57.277 54.61,69.215
  rectangle net 12V0: 59.944,56.388 61.468,57.15
  rectangle net 12V0: 45.847,56.769 49.149,60.452
  rectangle net 12V0: 45.847,56.388 52.705,57.785
  rectangle net 12V0: 55.245,56.642 61.468,58.039
  rectangle net 12V0: 59.182,57.785 61.468,61.214

## Text inside footprints (layer, text, board x,y; h text height)
C14: Bottom Overlay "+" at 84.836,123.317 h0.6 r270
P6: Top Overlay "28" at 120.015,124.333 h1.27 r90; Top Overlay "27" at 122.555,124.333 h1.27 r90; Top Overlay "1" at 122.555,87.249 h1.27 r90; Top Overlay "2" at 114.3,86.995 h1.27 r90
QD1: Top Overlay "18" at 43.881,106.871 h1.02 r270; Top Overlay "1" at 43.881,124.524 h1.02 r270
USB1: Mechanical 1 "PCB Edge" at 70.762,44.308 h0.25